# Altium PCB ESP32DOWDQ6.PcbDoc
Units mil, origin at the board's own origin, x right, y up, seen from the top; angles counter-clockwise.
Board outline 2755.91 x 1377.95 mil, 2 copper layers (Top Layer, Bottom Layer); 86 components, 85 nets, 515 pads, 4 vias.
Unrouted connection lines stored in the file: 70.
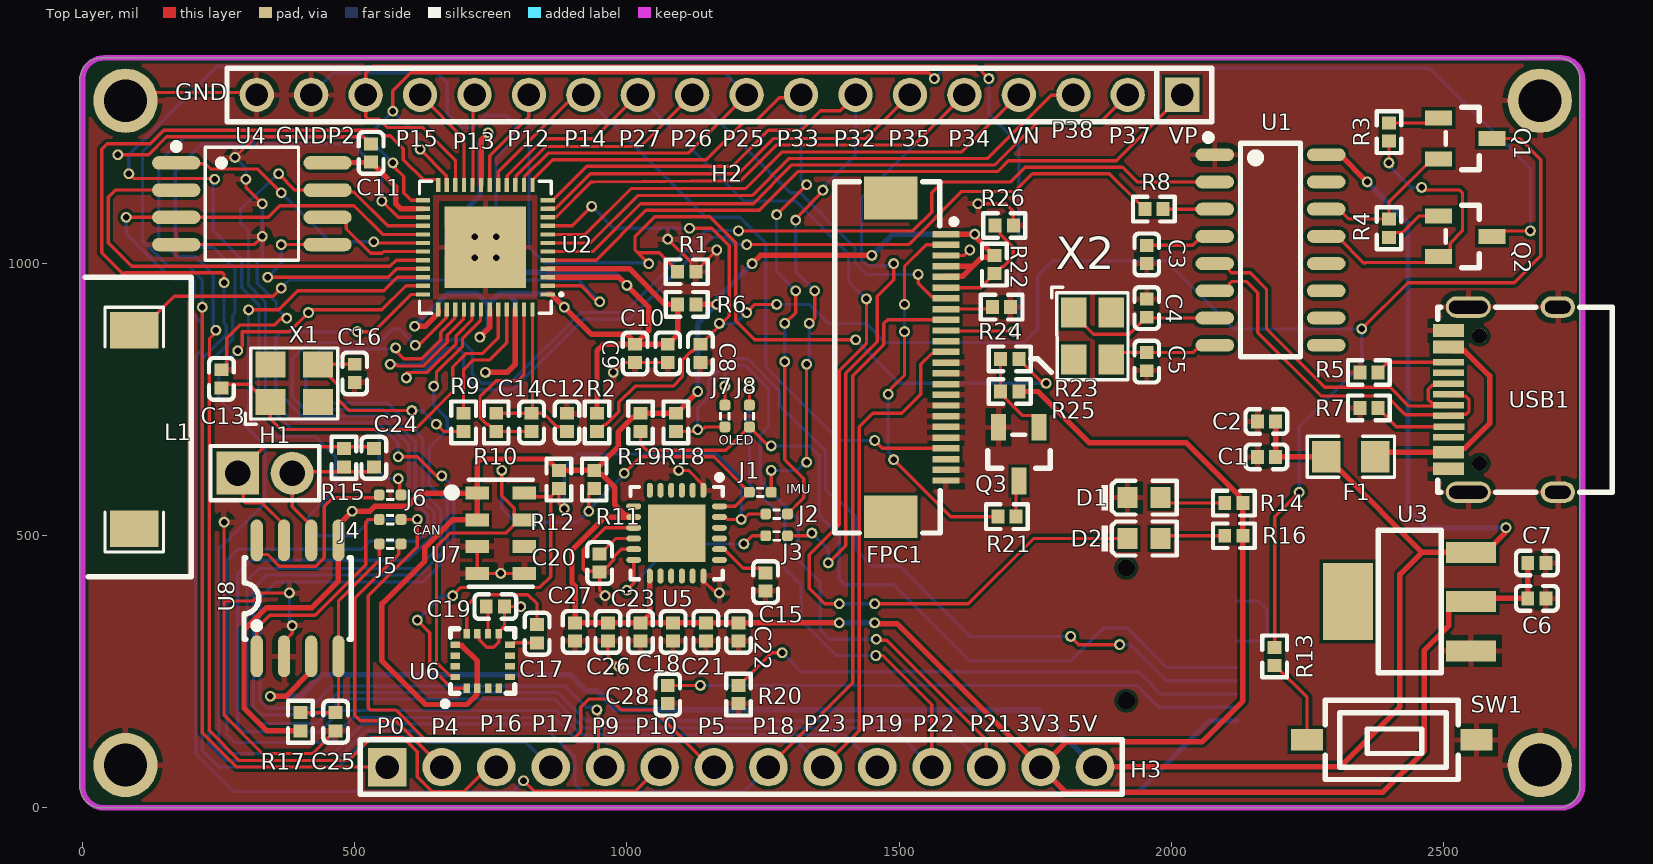
[diagram p0: Top Layer view]
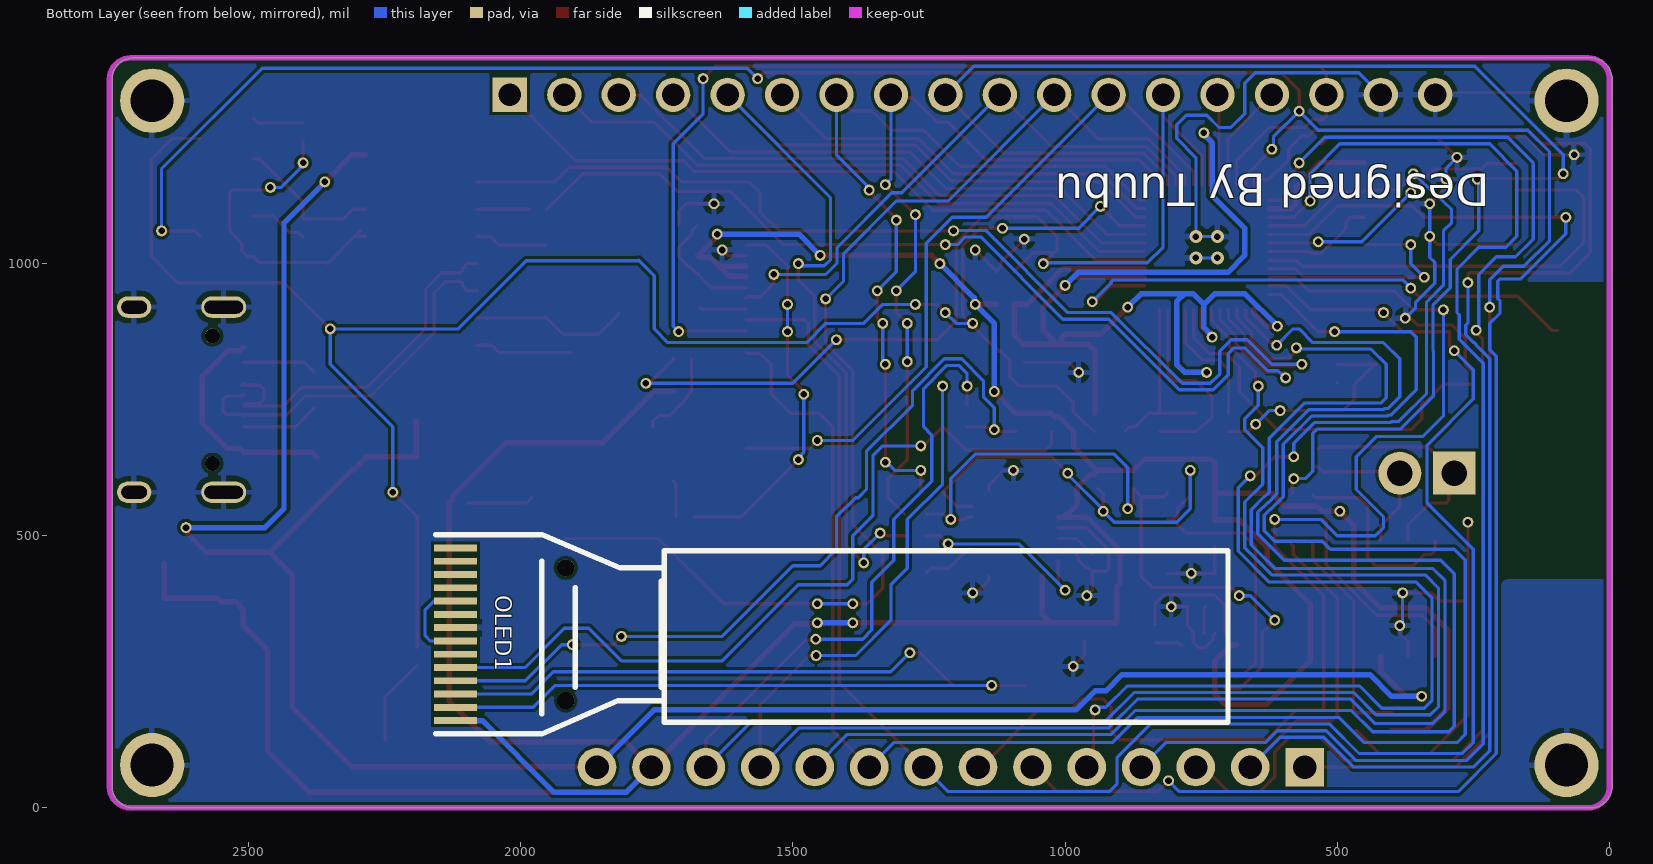
[diagram p1: Bottom Layer view, seen from below]
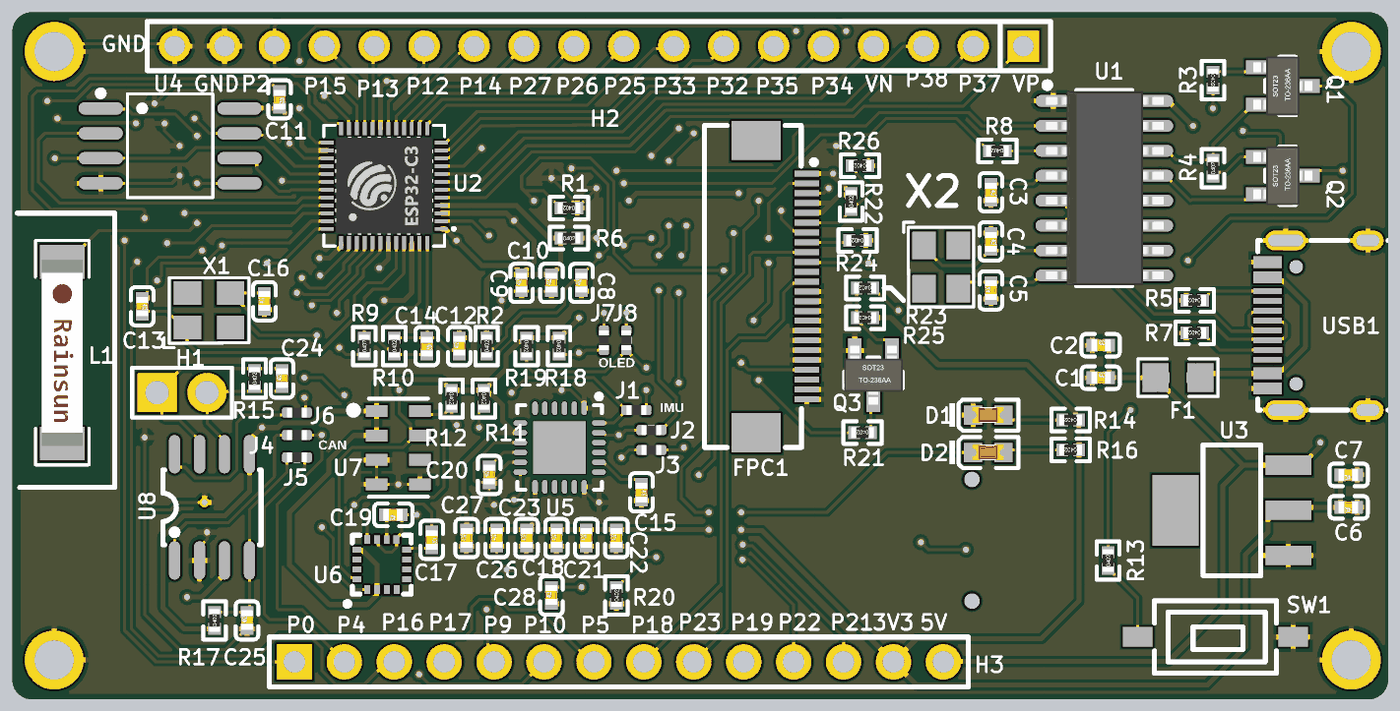
[diagram p2: 3D render of the assembled board from above, using the file's embedded part models]

## Layer stack, top to bottom
Top Solder: solder mask 0.4, Solder Resist, Dk 3.5
Top Layer: signal copper 1.4
Dielectric 1: dielectric 12.6, FR-4, Dk 4.8
Bottom Layer: signal copper 1.4
Bottom Solder: solder mask 0.4, Solder Resist, Dk 3.5

## Board outline
-5,39.37 -5,1338.58 cw(c34.37,1338.58) 34.37,1377.95 2711.54,1377.95 cw(c2711.54,1338.58) 2750.91,1338.58 2750.91,39.37 cw(c2711.54,39.37) 2711.54,0 34.37,0 cw(c34.37,39.37)

## Design rules (kind name [scope] priority, off if disabled: settings)
Clearance [All] p1: gap=6 ignorepadtopadclearanceinfootprint=TRUE
DiffPairsRouting [All] p1: maxlimit=10 minlimit=10 mostfreqgap=10 toplayer_minwidth=6 toplayer_maxwidth=15 toplayer_prefwidth=6 bottomlayer_minwidth=6 bottomlayer_maxwidth=15 bottomlayer_prefwidth=6 maxuncoupledlength=500
HoleSize [All] p1: absolutevalues=TRUE maxlimit=100 minlimit=10 maxpercent=80.000 minpercent=20.000
HoleToHoleClearance [All] p1: gap=4 allowstackedmicrovias=TRUE
MinimumSolderMaskSliver [All] p1: minsoldermaskwidth=4
PolygonConnect [All] p1: connectstyle=Relief reliefconductorwidth=10 reliefentries=4 polygonreliefangle="90 Angle" airgapwidth=10
RoutingVias [All] p1: holewidth=12 width=24 viastyle="Through Hole" minholewidth=12 minwidth=24 maxholewidth=12 maxwidth=24
SilkToSilkClearance [All] p1: silktosilkclearance=1
SilkToSolderMaskClearance [IsPad] p1: minsilkscreentomaskgap=1 clearancetoexposedcopper=TRUE
SolderMaskExpansion [All] p1: expansion=4 istentingtop=FALSE
Width power [InNetClass('VCC')] p1: maxlimit=20 minlimit=10 preferedwidth=10
Width [All] p2: maxlimit=6 minlimit=6 preferedwidth=6
24 further rules are at their usual default settings.

## Components (designator, comment, footprint, x,y, rotation, side; value= is the part's Value field where it differs from the comment)
C1 "10uF (106) 20% 6.3V" 0402_C 2175,645 r0 top
C2 "100nF (104) 10% 16V" 0402_C 2175,710 r0 top
C3 "100nF (104) 10% 16V" 0402_C 1955,1016.73 r270 top
C4 "22pF (220) 5% 50V" 0402_C 1955,918.27 r270 top
C5 "22pF (220) 5% 50V" 0402_C 1955,820 r90 top
C6 "10uF (106) 20% 6.3V" 0402_C 2671.73,385 r180 top
C7 "100nF (104) 10% 16V" 0402_C 2671.73,450 r180 top
C8 "100nF (104) 10% 16V" 0402_C 1135,835 r90 top
C9 "10uF (106) 20% 6.3V" 0402_C 1015,835 r90 top
C10 "100nF (104) 10% 16V" 0402_C 1075,835 r90 top
C11 "1.0uF (105) 10% 25V" 0402_C 530,1203.27 r270 top
C12 "10nF (103) 10% 50V" 0402_C 890,708.27 r90 top
C13 "10pF (100) 5% 50V" 0402_C 255,788.27 r270 top
C14 "330pF (331) 5% 50V" 0402_C 825,708.27 r270 top
C15 "2.2nF (222) 10% 50V" 0402_C 1255,415 r270 top
C16 "10pF (100) 5% 50V" 0402_C 500,798.27 r90 top
C17 "2.2nF (222) 10% 50V" 0402_C 835,320 r270 top
C18 "2.2nF (222) 10% 50V" 0402_C 1085,323.27 r90 top
C19 "4.7uF (475) 20% 10V" 0402_C 758.27,370 r180 top
C20 "100nF (104) 10% 16V" 0402_C 950,450 r90 top
C21 "10nF (103) 10% 50V" 0402_C 1145,323.27 r90 top
C22 "2.2nF (222) 10% 50V" 0402_C 1205,323.27 r90 top
C23 "100nF (104) 10% 16V" 0402_C 1025,323.27 r90 top
C24 "100pF (101) 5% 50V" 0402_C 535,643.27 r90 top
C25 "15pF (150) 5% 50V" 0402_C 465,158.27 r90 top
C26 "1.0uF (105) 10% 25V" 0402_C 965,323.27 r90 top
C27 "4.7uF (475) 20% 10V" 0402_C 905,323.27 r90 top
C28 "4.7uF (475) 20% 10V" 0402_C 1075,208.27 r90 top
D1 "白灯 0603" 0603_LED_S1 1949.68,570 r0 top
D2 "白灯 0603" 0603_LED_S1 1949.68,495 r0 top
F1 "ASMD0805-050" F0805 2330,645 r180 top
FPC1 "FPC-05F-24PH20" FPC-SMD_24P-P0.50_FPC-05F-24PH20 1535.69,827.91 r270 top
H1 "X6511WV-02H-C30D60" HDR-TH_2P-P2.54-V-M 335,615 r0 top
H2 "KH-2.54PH180-1X18P-L11.5" HDR-TH_18P-P2.54-V-M 1170,1310 r180 top
H3 "KH-2.54PH180-1X14P-L11.5" HDR-TH_14P-P2.54-V-M 1210,75 r0 top
J1 "跳线" RES_0402 1245,580 r0 top
J2 "跳线" RES_0402 1275,540 r0 top
J3 "跳线" RES_0402 1275,500 r0 top
J4 "跳线" RES_0402 565,530 r0 top
J5 "跳线" RES_0402 565,485 r0 top
J6 "跳线" RES_0402 565,575 r0 top
J7 "跳线" RES_0402 1180,720 r90 top
J8 "跳线" RES_0402 1225,720 r90 top
L1 "AN9520-245" ANT-SMD_L9.5-W2.1 95,695 r270 top
OLED1 "QG-2832TLBFG02" OLED-SMD_QG-9616TSWCG02 2119.99,318.97 r0 bottom
Q1 "SS8050 Y1" SOT-23(SOT-23-3) 2540,1230 r180 top
Q2 "SS8050 Y1" SOT-23(SOT-23-3) 2540,1050 r180 top
Q3 "SS8050 Y1" SOT-23(SOT-23-3) 1720,650 r90 top
R1 "10KΩ (1002) ±1%" 0402_R 1110,985 r180 top
R2 "10KΩ (1002) ±1%" 0402_R 945,708.27 r90 top
R3 "12KΩ (1202) ±1%" 0402_R 2400,1241.73 r270 top
R4 "12KΩ (1202) ±1%" 0402_R 2400,1065 r90 top
R5 "5.1KΩ (5101) ±1%" 0402_R 2363.27,800 r180 top
R6 "0Ω (0R0) ±1%" 0402_R 1110,925 r0 top
R7 "5.1KΩ (5101) ±1%" 0402_R 2363.27,735 r180 top
R8 "49.9Ω (49R9) ±1%" 0402_R 1968.27,1100 r180 top
R9 "0Ω (0R0) ±1%" 0402_R 700,708.27 r90 top
R10 "20KΩ (2002) ±1%" 0402_R 760,708.27 r90 top
R11 "4.7KΩ (4701) ±1%" 0402_R 940,603.27 r270 top
R12 "4.7KΩ (4701) ±1%" 0402_R 875,603.27 r270 top
R13 "1KΩ (1001) ±1%" 0402_R 2190,278.27 r90 top
R14 "1KΩ (1001) ±1%" 0402_R 2115,560 r180 top
R15 "10Ω (10R0) ±1%" 0402_R 480,643.27 r90 top
R16 "1KΩ (1001) ±1%" 0402_R 2115,500 r180 top
R17 "4.7KΩ (4701) ±1%" 0402_R 400,158.27 r90 top
R18 "4.7KΩ (4701) ±1%" 0402_R 1090,708.27 r270 top
R19 "4.7KΩ (4701) ±1%" 0402_R 1025,708.27 r270 top
R20 "470Ω (4700) ±1%" 0402_R 1205,208.27 r90 top
R21 "10Ω (10R0) ±1%" 0402_R 1698.27,535 r180 top
R22 "4.7KΩ (4701) ±1%" 0402_R 1675,998.27 r90 top
R23 "1KΩ (1001) ±1%" 0402_R 1703.27,825 r180 top
R24 "4.7KΩ (4701) ±1%" 0402_R 1688.27,920 r180 top
R25 "10KΩ (1002) ±1%" 0402_R 1703.27,765 r180 top
R26 "4.7KΩ (4701) ±1%" 0402_R 1693.27,1070 r180 top
SW1 "TS-1092S-B1D2-W" SW-SMD_L6.1-W3.6-LS7.9 2405,125 r180 top
U1 "CH340G" SOIC-16_150mil 2182.36,1025 r270 top
U2 "ESP32" QFN-48-EP3.8 740,1030 r90 top
U3 "AMS1117-3.3_C369933" SOT-223-3_L6.5-W3.4-P2.30-LS7.0-BR 2438.06,379.05 r0 top
U4 "GD25Q32CSIG_C318845" SOIC-8_L5.3-W5.3-P1.27-LS8.0-BL 311.02,1110 r270 top
U5 "MPU-6050" QFN-24_4x4x05P 1091.26,504.84 r180 top
U6 "HWC5883L" LPCC-16_L3.0-W3.0-P0.50-BL 735,270 r0 top
U7 "MS5611" MS5611 768.31,504.61 r0 top
U8 "TJA1042T/1J" SOIC-8_L5.0-W4.0-P1.27-LS6.0-BL 395,385 r0 top
USB1 "TYPEC-304-BCP16" USB-C-SMD_TYPEC-304-BCP16 2610,750 r90 top
X1 "40MHz" OSC-SMD_4P-L3.2-W2.5-BL 388.94,780 r0 top
X2 "12MHz" OSC-SMD_4P-L3.2-W2.5-BL 1855.54,866.7 r270 top

## Footprints (in the part's own frame and the unit in brackets; to place one, negate y for a bottom-side part, rotate by r counter-clockwise, add the part's x,y. Pads: shape width x height; smd on the part's side, far side on the other; paste and mask are expansions set on the pad)
0402_C [mm]
  rect 0.6x0.65 smd mask+0.051: 1(-0.425,0) 2(0.425,0)
  silkscreen extent -0.97,-0.58 0.97,0.58, body extent -0.48,-0.3 0.52,0.3, height 0.2
0402_R [mm]
  rect 0.6x0.65 smd mask+0.051: 1(-0.425,0) 2(0.425,0)
  silkscreen extent -0.97,-0.58 0.98,0.58, body extent -0.57,-0.27 0.58,0.28, height 0.41
0603_LED_S1 [mm]
  rect 0.93x0.98 smd: A(0.77,0) K(-0.77,0)
  silkscreen extent -1.98,-0.79 1.54,0.79, body extent -0.8,-0.4 0.8,0.4, height 0.6
ANT-SMD_L9.5-W2.1 [mm] "陶瓷天线pcb"
  rect 1.71x2.268 smd: 1(-4.63,0) 2(4.63,0)
  silkscreen extent -5.71,-1.36 5.71,1.36, body extent -4.75,-1.05 4.75,1.05
F0805 [mm]
  rect 1.335x1.458 smd: 1(-1.142,0) 2(1.142,0)
  silkscreen extent -2.04,-0.96 2.04,0.96
FPC-SMD_24P-P0.50_FPC-05F-24PH20 [mm]
  rect 0.3x1.25 smd: 1(-5.75,1.288) 2(-5.25,1.288) 3(-4.75,1.288) 4(-4.25,1.288) 5(-3.75,1.288) 6(-3.25,1.288) 7(-2.75,1.288) 8(-2.25,1.288) 9(-1.75,1.288) 10(-1.25,1.288) 11(-0.75,1.288) 12(-0.25,1.288) 13(0.25,1.288) 14(0.75,1.288) 15(1.25,1.288) 16(1.75,1.288) 17(2.25,1.288) 18(2.75,1.288) 19(3.25,1.288) 20(3.75,1.288) 21(4.25,1.288) 22(4.75,1.288) 23(5.25,1.288) 24(5.75,1.288)
  rect 2x2.5 smd: 25(7.44,-1.288) 26(-7.44,-1.288)
  silkscreen extent -8.2,-3.91 8.2,1.78, body extent -8.85,-3.49 8.85,0.66, height 1.9
HDR-TH_2P-P2.54-V-M [mm]
  rect 2x2 hole 1.2: 1(-1.27,0)
  round 2 hole 1.2: 2(1.27,0)
  silkscreen extent -2.54,-1.27 2.54,1.27
HDR-TH_14P-P2.54-V-M [mm]
  rect 1.8x1.8 hole 1.1: 1(-16.51,0)
  round 1.8 hole 1.1: 2(-13.97,0) 3(-11.43,0) 4(-8.89,0) 5(-6.35,0) 6(-3.81,0) 7(-1.27,0) 8(1.27,0) 9(3.81,0) 10(6.35,0) 11(8.89,0) 12(11.43,0) 13(13.97,0) 14(16.51,0)
  silkscreen extent -17.78,-1.27 17.78,1.27
HDR-TH_18P-P2.54-V-M [mm]
  rect 1.6x1.6 hole 1.05: 1(-21.59,0)
  round 1.6 hole 1.05: 2(-19.05,0) 3(-16.51,0) 4(-13.97,0) 5(-11.43,0) 6(-8.89,0) 7(-6.35,0) 8(-3.81,0) 9(-1.27,0) 10(1.27,0) 11(3.81,0) 12(6.35,0) 13(8.89,0) 14(11.43,0) 15(13.97,0) 16(16.51,0) 17(19.05,0) 18(21.59,0)
  silkscreen extent -22.98,-1.25 22.98,1.25
LPCC-16_L3.0-W3.0-P0.50-BL [mm]
  rect 0.3x0.45 smd: 1(-0.749,-1.275) 2(-0.249,-1.275) 3(0.251,-1.275) 4(0.751,-1.275) 9(0.75,1.275) 10(0.25,1.275) 11(-0.25,1.275) 12(-0.749,1.275)
  rect 0.45x0.3 smd: 5(1.275,-0.748) 6(1.275,-0.248) 7(1.275,0.252) 8(1.275,0.752) 13(-1.275,0.752) 14(-1.275,0.252) 15(-1.275,-0.248) 16(-1.275,-0.748)
  silkscreen extent -1.87,-2.12 1.5,1.5
MS5611 [mm]
  rect 1.1x0.6 smd: 1(-1.1,1.875) 2(-1.1,0.625) 3(-1.1,-0.625) 4(-1.1,-1.875) 5(1.1,-1.875) 6(1.1,-0.625) 7(1.1,0.625) 8(1.1,1.875)
  silkscreen extent -2.41,-2.5 1.5,2.5
OLED-SMD_QG-9616TSWCG02 [mm]
  rect 2x0.32 smd: 1(0,-4.03) 2(0,-3.41) 3(0,-2.79) 4(0,-2.17) 5(0,-1.55) 6(0,-0.93) 7(0,-0.31) 8(0,0.31) 9(0,0.93) 10(0,1.55) 11(0,2.17) 12(0,2.79) 13(0,3.409) 14(0,4.03)
  round 0.8 hole 0.8 unplated: ""(-5.15,-3.1) ""(-5.15,3.1)
  silkscreen extent -36.05,-4.65 0.93,4.65
OSC-SMD_4P-L3.2-W2.5-BL [mm]
  rect 1.4x1.2 smd: 1(-1.1,-0.875) 2(1.1,-0.875) 3(1.1,0.875) 4(-1.1,0.875)
  silkscreen extent -2.29,-1.9 2.03,1.65
QFN-24_4x4x05P [mm]
  rect 2.68x2.68 smd mask+0.051: 0(0,0)
  oval 0.28x0.7 smd mask+0.051: 1(-1.25,-2) 2(-0.75,-2) 3(-0.25,-2) 4(0.25,-2) 5(0.75,-2) 6(1.25,-2) 13(1.25,2) 14(0.75,2) 15(0.25,2) 16(-0.25,2) 17(-0.75,2) 18(-1.25,2)
  oval 0.7x0.28 smd mask+0.051: 7(2,-1.25) 8(2,-0.75) 9(2,-0.25) 10(2,0.25) 11(2,0.75) 12(2,1.25) 19(-2,1.25) 20(-2,0.75) 21(-2,0.25) 22(-2,-0.25) 23(-2,-0.75) 24(-2,-1.25)
  silkscreen extent -2.15,-2.72 2.15,2.15
QFN-48-EP3.8 [mm]
  rect 0.2x0.665 smd: 1(-2.2,-2.908) 2(-1.8,-2.908) 3(-1.4,-2.908) 4(-1,-2.908) 5(-0.6,-2.908) 6(-0.2,-2.908) 7(0.2,-2.908) 8(0.6,-2.908) 9(1,-2.908) 10(1.4,-2.908) 11(1.8,-2.908) 12(2.2,-2.908) 25(2.2,2.908) 26(1.8,2.908) 27(1.4,2.908) 28(1,2.908) 29(0.6,2.908) 30(0.2,2.908) 31(-0.2,2.908) 32(-0.6,2.908) 33(-1,2.908) 34(-1.4,2.908) 35(-1.8,2.908) 36(-2.2,2.908)
  rect 0.665x0.2 smd: 13(2.908,-2.2) 14(2.908,-1.8) 15(2.908,-1.4) 16(2.908,-1) 17(2.908,-0.6) 18(2.908,-0.2) 19(2.908,0.2) 20(2.908,0.6) 21(2.908,1) 22(2.908,1.4) 23(2.908,1.8) 24(2.908,2.2) 37(-2.908,2.2) 38(-2.908,1.8) 39(-2.908,1.4) 40(-2.908,1) 41(-2.908,0.6) 42(-2.908,0.2) 43(-2.908,-0.2) 44(-2.908,-0.6) 45(-2.908,-1) 46(-2.908,-1.4) 47(-2.908,-1.8) 48(-2.908,-2.2)
  rect 3.8x3.8 smd: 49(0,0)
  silkscreen extent -3.08,-3.61 3.08,3.08, body extent -2.5,-2.5 2.5,2.5, height 1.12
RES_0402 [mil]
  rrect50% 20x20 smd: 1(-20,0) 2(20,0)
  silkscreen extent -6,-10 6,10, body extent -20,-10 20,10, height 14
SOIC-8_L5.0-W4.0-P1.27-LS6.0-BL [mil]
  oval 22.38x76.78 smd: 1(-75,-106.5) 2(-25,-106.5) 3(25,-106.5) 4(75,-106.5) 5(75,106.5) 6(25,106.5) 7(-25,106.5) 8(-75,106.5)
  silkscreen extent -98,-75 98,75
SOIC-8_L5.3-W5.3-P1.27-LS8.0-BL [mm]
  oval 0.63x2.25 smd: 1(-1.905,-3.53) 2(-0.635,-3.53) 3(0.635,-3.53) 4(1.905,-3.53) 5(1.905,3.53) 6(0.635,3.53) 7(-0.635,3.53) 8(-1.905,3.53)
  silkscreen extent -2.82,-3.68 2.64,2.18
SOIC-16_150mil [mm]
  oval 0.6x1.8 smd: 1(-4.445,-2.6) 2(-3.175,-2.6) 3(-1.905,-2.6) 4(-0.635,-2.6) 5(0.635,-2.6) 6(1.905,-2.6) 7(3.175,-2.6) 8(4.445,-2.6) 9(4.445,2.6) 10(3.175,2.6) 11(1.905,2.6) 12(0.635,2.6) 13(-0.635,2.6) 14(-1.905,2.6) 15(-3.175,2.6) 16(-4.445,2.6)
  silkscreen extent -5.4,-3.05 4.97,1.4, body extent -4.95,-2.97 4.95,3.03, height 1.75
SOT-23(SOT-23-3) [mm]
  rect 1.25x0.7 smd: 1(1.25,-0.95) 2(1.25,0.95) 3(-1.25,0)
  silkscreen extent -0.65,-1.46 0.9,1.46, body extent -1.5,-1.5 1.5,1.5, height 1.3
SOT-223-3_L6.5-W3.4-P2.30-LS7.0-BR [mm]
  rect 2.34x0.98 smd: 1(2.87,-2.3) 2(2.87,0) 3(2.87,2.3)
  rect 2.34x3.6 smd: 4(-2.87,0)
  silkscreen extent -1.47,-3.33 1.47,3.33
SW-SMD_L6.1-W3.6-LS7.9 [mm]
  rect 1.5x1 smd: 1(-3.95,0) 2(3.95,0)
  silkscreen extent -3.1,-1.85 3.1,1.85
USB-C-SMD_TYPEC-304-BCP16 [mm]
  oval 1x2.1 hole 0.6 slot 1.8 at 90 deg: 13(-4.32,1.633) 14(4.32,1.633)
  oval 1x1.6 hole 0.6 slot 1.2 at 90 deg: 15(-4.32,-2.547) 16(4.32,-2.547)
  rect 0.6x1.45 smd: A1B12(-3.225,2.547) A4B9(-2.45,2.547) B1A12(3.22,2.547) B4A9(2.45,2.547)
  rect 0.3x1.45 smd: A5(-1.26,2.532) A6(-0.25,2.547) A7(0.25,2.547) A8(1.25,2.547) B5(1.75,2.547) B6(0.75,2.547) B7(-0.75,2.547) B8(-1.75,2.547)
  round 0.7 hole 0.7 unplated: ""(-2.98,1.102) ""(2.98,1.102)
  silkscreen extent -4.32,-5.08 4.32,3.05

## Part data
C1 C6 C9: library part "0402 10uF (106) 20% 6.3V", "贴片电容", Package=0402, SuppliersPartNumber=C15525, ComponentLink1Description=供应商链接, ComponentLink1URL=http://www.szlcsc.com/product/details_16204.html, Supplier=LC
C2 C3 C7 C8 C10 C20 C23: library part "0402 100nF (104) 10% 16V", "贴片电容", Package=0402, SuppliersPartNumber=C1525, ComponentLink1Description=供应商链接, ComponentLink1URL=http://www.szlcsc.com/product/details_1877.html, Supplier=LC
C4 C5: library part "0402 22pF (220) 5% 50V", "贴片电容", Package=0402, SuppliersPartNumber=C1555, ComponentLink1Description=供应商链接, ComponentLink1URL=http://www.szlcsc.com/product/details_1907.html, Supplier=LC
C11 C26: library part "0402 1.0uF (105) 10% 25V", "贴片电容", Package=0402, SuppliersPartNumber=C52923, ComponentLink1Description=供应商链接, ComponentLink1URL=http://www.szlcsc.com/product/details_53938.html, Supplier=LC
C12 C21: library part "0402 10nF (103) 10% 50V", "贴片电容", Package=0402, SuppliersPartNumber=C15195, ComponentLink1Description=供应商链接, ComponentLink1URL=http://www.szlcsc.com/product/details_15869.html, Supplier=LC
C13 C16: library part "0402 10pF (100) 5% 50V", "贴片电容", Package=0402, SuppliersPartNumber=C32949, ComponentLink1Description=供应商链接, ComponentLink1URL=http://www.szlcsc.com/product/details_33914.html, Supplier=LC
C14: library part "0402 330pF (331) 5% 50V", "贴片电容", Package=0402, SuppliersPartNumber=C13533, ComponentLink1Description=供应商链接, ComponentLink1URL=http://www.szlcsc.com/product/details_14182.html, Supplier=LC
C15 C17 C18 C22: library part "0402 2.2nF (222) 10% 50V", "贴片电容", Package=0402, SuppliersPartNumber=C1531, ComponentLink1Description=供应商链接, ComponentLink1URL=http://www.szlcsc.com/product/details_1883.html, Supplier=LC
C19 C27 C28: library part "0402 4.7uF (475) 20% 10V", "贴片电容", Package=0402, SuppliersPartNumber=C23733, ComponentLink1Description=供应商链接, ComponentLink1URL=http://www.szlcsc.com/product/details_24469.html, Supplier=LC
C24: library part "0402 100pF (101) 5% 50V", "贴片电容", Package=0402, SuppliersPartNumber=C1546, ComponentLink1Description=供应商链接, ComponentLink1URL=http://www.szlcsc.com/product/details_1898.html, Supplier=LC
C25: library part "0402 15pF (150) 5% 50V", "贴片电容", Package=0402, SuppliersPartNumber=C1548, ComponentLink1Description=供应商链接, ComponentLink1URL=http://www.szlcsc.com/product/details_1900.html, Supplier=LC
D1 D2: library part "0603 白灯", "发光二极管", Package=0603, SuppliersPartNumber=C2290, ComponentLink1Description=供应商链接, ComponentLink1URL=http://www.szlcsc.com/product/details_2663.html, Supplier=LC
F1: BOM_JLCPCB Part Class="Extended Part", BOM_Manufacturer=JDTFUSE, BOM_Manufacturer Part=ASMD0805-050, BOM_Supplier=LCSC, BOM_Supplier Part=C135329, Contributor=LCSC, spicePre=F, spiceSymbolName=ASMD0805-050
FPC1: "FPC24脚", BOM_Manufacturer=XUNPU(讯普), BOM_Manufacturer Part=FPC-05F-24PH20, BOM_Supplier=LCSC, BOM_Supplier Part=C2856805, Contributor=LCSC, spicePre=F, spiceSymbolName=FPC-05F-24PH20
H1: library part HDR-2P, BOM_JLCPCB Part Class="Extended Part", BOM_Manufacturer="XKB Connectivity", BOM_Manufacturer Part=X6511WV-02H-C30D60, BOM_Supplier=LCSC, BOM_Supplier Part=C706874, Contributor=LCSC, spicePre=H, spiceSymbolName=X6511WV-02H-C30D60
H2: library part HDR-18P, BOM_Manufacturer=kinghelm(金航标), BOM_Manufacturer Part=KH-2.54PH180-1X18P-L11.5, BOM_Supplier=LCSC, BOM_Supplier Part=C2905492, Contributor=LCSC, spicePre=H, spiceSymbolName=KH-2.54PH180-1X18P-L11.5
H3: library part HDR-14P, "排针", BOM_Manufacturer=kinghelm(金航标), BOM_Manufacturer Part=KH-2.54PH180-1X14P-L11.5, BOM_Supplier=LCSC, BOM_Supplier Part=C2905490, Contributor=LCSC, spicePre=H, spiceSymbolName=KH-2.54PH180-1X14P-L11.5
J1 J2 J3 J4 J5 J6 J7 J8: "Resistor", LatestRevisionDate=17-Jul-2002, LatestRevisionNote="Re-released for DXP Platform.", PackageDescription="Axial Device, Thru-Hole; 2 Leads; 0.4 in Pin Spacing", PackageReference=AXIAL-0.4, Published=8-Jun-2000, Publisher="Altium Limited"
L1: "陶瓷wifi/bt天线", BOM_JLCPCB Part Class="Extended Part", BOM_Manufacturer=Rainsun, BOM_Manufacturer Part=AN9520-245, BOM_Supplier=LCSC, BOM_Supplier Part=C99665, spicePre=L, spiceSymbolName=AN9520-245
OLED1: library part OLED, BOM_JLCPCB Part Class="Extended Part", BOM_Manufacturer=Allvision, BOM_Manufacturer Part=QG-2832TLBFG02, BOM_Supplier=LCSC, BOM_Supplier Part=C91220, Contributor=LCSC, spicePre=O, spiceSymbolName=QG-2832TLBFG02
Q1 Q2 Q3: library part "SOT-23 SS8050 Y1", "三极管", Package=SOT-23, SuppliersPartNumber=C2150, ComponentLink1Description=供应商链接, ComponentLink1URL=http://www.szlcsc.com/product/details_2507.html, Supplier=LC
R1 R2 R25: library part "0402 10KΩ (1002) 1%", "贴片电阻", Package=0402, SuppliersPartNumber=C25744, ComponentLink1Description=供应商链接, ComponentLink1URL=http://www.szlcsc.com/product/details_26487.html, Supplier=LC
R3 R4: library part "0402 12KΩ (1202) 1%", "贴片电阻", Package=0402, SuppliersPartNumber=C25752, ComponentLink1Description=供应商链接, ComponentLink1URL=http://www.szlcsc.com/product/details_26495.html, Supplier=LC
R5 R7: library part "0402 5.1KΩ (5101) 1%", "贴片电阻", Package=0402, SuppliersPartNumber=C25905, ComponentLink1Description=供应商链接, ComponentLink1URL=http://www.szlcsc.com/product/details_26648.html, Supplier=LC
R6 R9: library part "0402 0Ω (0R0) 1%", "贴片电阻", Package=0402, SuppliersPartNumber=C17168, ComponentLink1Description=供应商链接, ComponentLink1URL=http://www.szlcsc.com/product/details_17853.html, Supplier=LC
R8: library part "0402 49.9Ω (49R9) 1%", "贴片电阻", Package=0402, SuppliersPartNumber=C25120, ComponentLink1Description=供应商链接, ComponentLink1URL=http://www.szlcsc.com/product/details_25863.html, Supplier=LC
R10: library part "0402 20KΩ (2002) 1%", "贴片电阻", Package=0402, SuppliersPartNumber=C25765, ComponentLink1Description=供应商链接, ComponentLink1URL=http://www.szlcsc.com/product/details_26508.html, Supplier=LC
R11 R12 R17 R18 R19 R22 R24 R26: library part "0402 4.7KΩ (4701) 1%", "贴片电阻", Package=0402, SuppliersPartNumber=C25900, ComponentLink1Description=供应商链接, ComponentLink1URL=http://www.szlcsc.com/product/details_26643.html, Supplier=LC
R13 R14 R16 R23: library part "0402 1KΩ (1001) 1%", "贴片电阻", Package=0402, SuppliersPartNumber=C11702, ComponentLink1Description=供应商链接, ComponentLink1URL=http://www.szlcsc.com/product/details_12256.html, Supplier=LC
R15 R21: library part "0402 10Ω (10R0) 1%", "贴片电阻", Package=0402, SuppliersPartNumber=C25077, ComponentLink1Description=供应商链接, ComponentLink1URL=http://www.szlcsc.com/product/details_25820.html, Supplier=LC
R20: library part "0402 470Ω (4700) 1%", "贴片电阻", Package=0402, SuppliersPartNumber=C25117, ComponentLink1Description=供应商链接, ComponentLink1URL=http://www.szlcsc.com/product/details_25860.html, Supplier=LC
SW1: "触控开关", BOM_JLCPCB Part Class="Extended Part", BOM_Manufacturer=Yuandi(台湾元迪), BOM_Manufacturer Part=TS-1092S-B1D2-W, BOM_Supplier=LCSC, BOM_Supplier Part=C782859, Contributor=LCSC, spicePre=S, spiceSymbolName=TS-1092S-B1D2-W
U1: library part CH340G_[C14267], "USB", Package=SOIC-16_150mil, SuppliersPartNumber=C14267, ComponentLink1Description=供应商链接, ComponentLink1URL=http://www.szlcsc.com/product/details_14927.html, Supplier=LC
U2: BOM_JLCPCB Part Class="Extended Part", BOM_Manufacturer=ESPRESSIF, BOM_Manufacturer Part=ESP32, BOM_Supplier=LCSC, BOM_Supplier Part=C80134, spicePre=U, spiceSymbolName=ESP32
U3: library part AMS1117-3.3, BOM_Manufacturer=KEXIN, BOM_Manufacturer Part=AMS1117-3.3, BOM_Paste Type=expand, BOM_Supplier=LCSC, BOM_Supplier Part=C369933, Contributor=LCSC, spicePre=U, spiceSymbolName=AMS1117-3.3_C369933
U4: BOM_JLCPCB Part Class="Extended Part", BOM_Manufacturer="GigaDevice Semicon Beijing", BOM_Manufacturer Part=GD25Q32CSIG, BOM_Supplier=LCSC, BOM_Supplier Part=C318845, Contributor=LCSC, spicePre=U, spiceSymbolName=GD25Q32CSIG_C318845
U5: library part MPU-6050_[C24112], "传感器", Package=QFN-24_4x4x05P, SuppliersPartNumber=C24112, ComponentLink1Description=供应商链接, ComponentLink1URL=http://www.szlcsc.com/product/details_24852.html, Supplier=LC
U6: library part HMC5883L
U8: "CAN芯片", BOM_JLCPCB Part Class="Extended Part", BOM_Manufacturer=NXP, BOM_Manufacturer Part=TJA1042T/1J, BOM_Supplier=LCSC, BOM_Supplier Part=C53670, spicePre=U, spiceSymbolName=TJA1042T/1J
USB1: BOM_Manufacturer=XUNPU, BOM_Manufacturer Part=TYPEC-304-BCP16, BOM_Supplier=LCSC, BOM_Supplier Part=C720629, Contributor=LCSC, spicePre=U, spiceSymbolName=TYPEC-304-BCP16
X1: "有源晶振", BOM_Manufacturer=TKD, BOM_Manufacturer Part=3225-20MHZ-15PF-10PPM, BOM_Supplier=LCSC, BOM_Supplier Part=C337680, Contributor=LCSC, nameAlias=Frequency, spicePre=X, spiceSymbolName=3225-20MHZ-15PF-10PPM
X2: "无源晶振", BOM_JLCPCB Part Class="Basic Part", BOM_Manufacturer=YXC, BOM_Manufacturer Part=X322512MSB4SI, BOM_Supplier=LCSC, BOM_Supplier Part=C9002, nameAlias=Frequency, spicePre=X, spiceSymbolName=X322512MSB4SI

## Free pads (board coordinates)
  round 118.11 hole 78.74: 158(78.74,78.74) 158(78.74,1299.21) 158(2677.17,78.74) 158(2677.17,1299.21)
  round 20 hole 12 mask+4: 159(570,1185) 161(620,1210) 162(535,1040) 163(340,975) 164(365,1035) 165(365,1130) 166(550,1115) 167(360,1165) 168(950,930) 169(740,800) 170(730,865) 171(610,885) 172(650,705) 173(605,730) 174(645,775) 175(595,790) 176(565,815) 177(611.31,850) 178(575,845) 179(505,875) 180(415,910) 182(365,955) 183(220,920) 184(345,205) 185(385,335) 186(245,877.5) 187(260,965) 188(495,545) 189(935,1105) 190(745,1240) 191(885,920) 192(2660,1060) 193(1665,1340) 194(1710,875) 195(1000,960) 196(1040,1000) 198(1630,1025) 199(1535,980) 200(305,915) 201(615,530) 202(580,605) 204(85,1165) 205(570,1280) 206(1565,1340) 208(285,840) 209(580,645) 210(660,610) 211(945,180) 212(80,1085) 213(810,50) 214(805,370) 215(615,345) 216(680,390) 217(768.31,430.79) 218(770,620) 219(930,545) 220(885,550) 221(960,390) 222(975,800) 223(1115,1065) 224(1130,765) 225(1165,925) 226(1205,1060) 227(1220,1035) 228(2460,1140) 229(2400,1185) 230(2360,1150) 231(2615,515) 232(1330,1145) 233(1360,1135) 234(1275,1090) 235(1310,1080) 236(995,615) 237(1210,530) 238(1215,485) 239(1000,400) 240(2350,880) 241(1455,675) 242(1770,780) 243(1420,860) 244(1455,375) 245(1390,375) 246(1440,935) 247(1639.14,1054.29) 248(1450,1015) 249(1230,1000) 250(1390,340) 251(1455,340) 252(1275,925) 253(1220,910) 254(1170,890) 255(1310,950) 256(1290,890) 257(1290,820) 258(1345,950) 259(1335,890) 260(1330,815) 261(1330,635) 262(1265,620) 263(1490,1000) 264(1370,450) 265(1340,505) 266(1510,925) 267(1510,875) 268(1480,760) 269(1490,640) 270(1285,285) 271(1135,225) 272(1265,665) 273(1905,300) 274(1815,315) 275(1130,695) 276(1457.5,280) 277(1458.12,310) 278(1180,775) 279(1225,775) 283(2235,580) 284(65,1200) 285(375,900) 286(330,1050) 287(985,260) 288(1095,620) 289(260,525) 290(1645,1110) 291(242.5,1155) 292(330,1110) 293(300,1155) 294(280,1195) 296(1170,395) 297(1075,1045) 298(1165,1025)
  round 20 hole 12: 295(380,395)

## Via types
v1: diameter 24, hole 12, Top Layer to Bottom Layer, tented both sides, 4 vias
